# Altium PCB POWER_SUPPLY_60V_60A.PcbDoc (part 1 of 2) (continued)
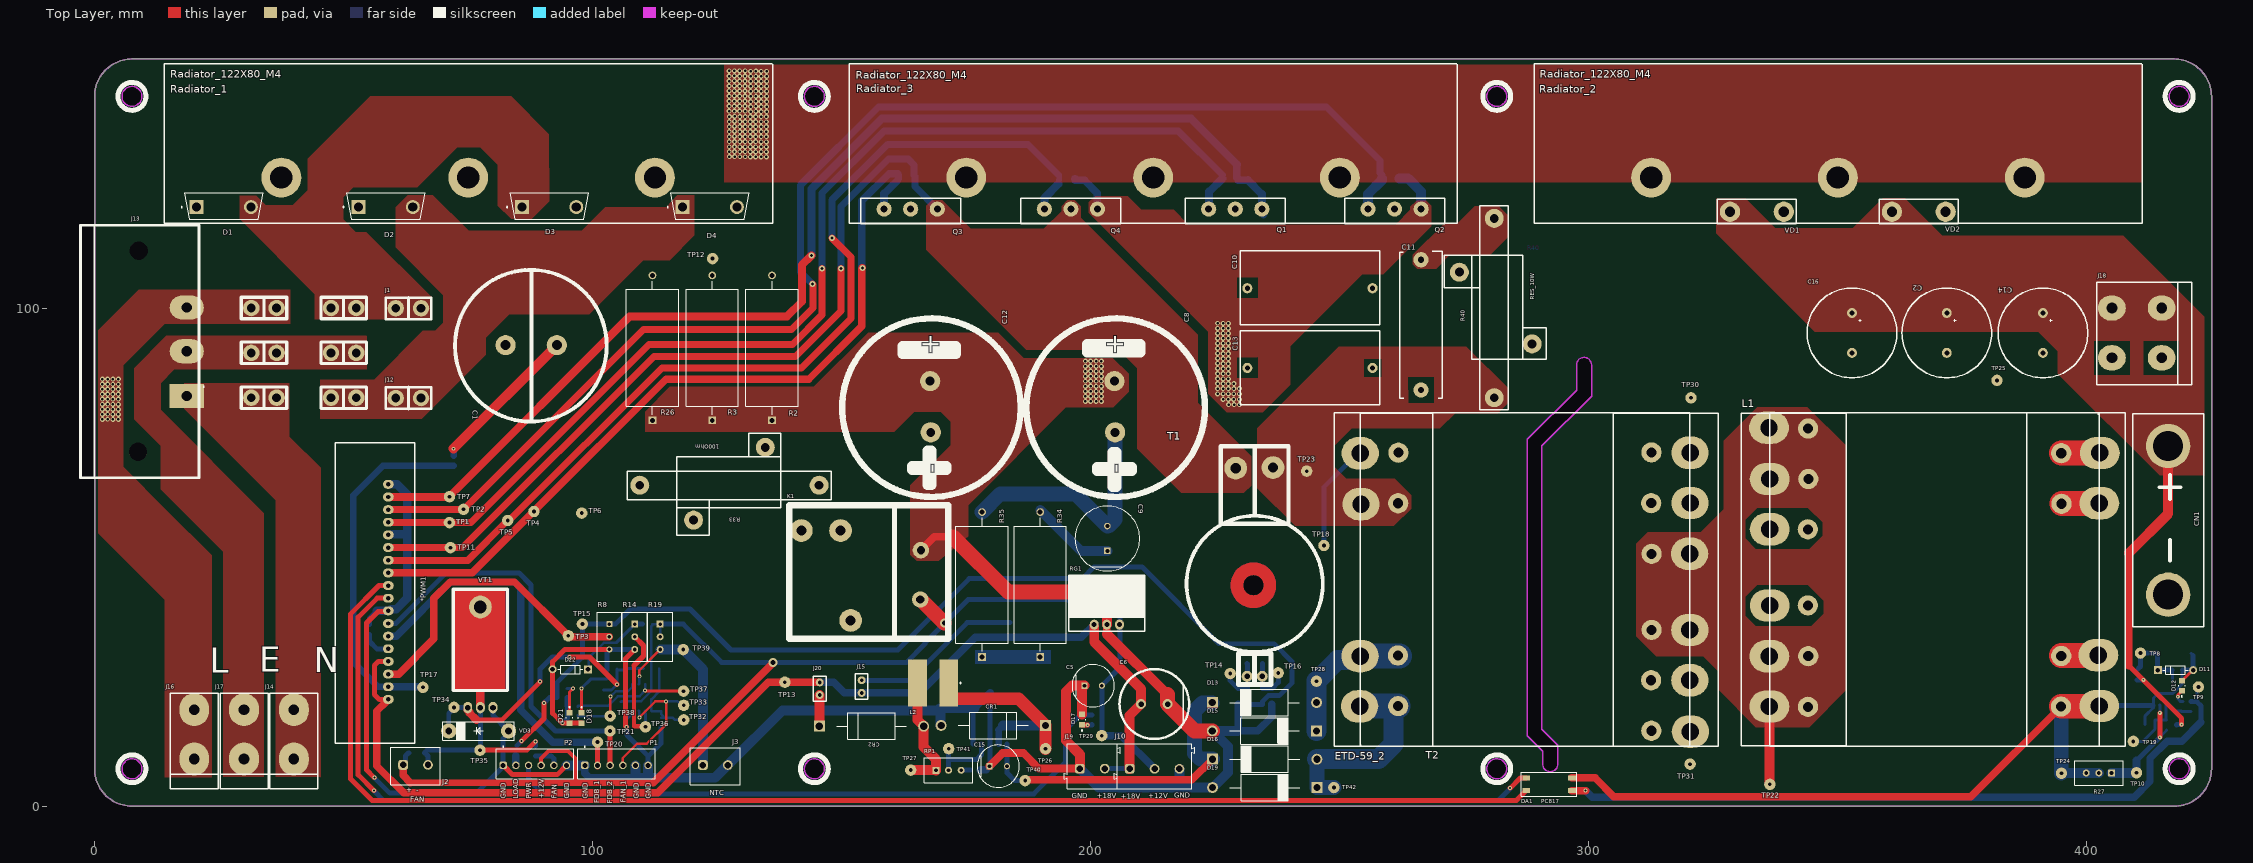
[diagram p0: Top Layer view]
## Footprints (in the part's own frame and the unit in brackets; to place one, negate y for a bottom-side part, rotate by r counter-clockwise, add the part's x,y. Pads: shape width x height; smd on the part's side, far side on the other; paste and mask are expansions set on the pad)
4-SMD [mm]
  rect 1.6x1 smd: 1(-4.575,1.27) 2(-4.575,-1.27) 3(4.575,-1.27) 4(4.575,1.27)
  silkscreen extent -5.6,-2.4 5.6,2.4, body extent -5,-2.29 5,2.29, height 3.85
"10W 3 Ohm" [mm]
  round 3.81 hole 1.778: 1(-18,0) 2(18,0) GND(-7.2,-7.6) GND(7.2,7)
  silkscreen extent -20.4,-10.45 20.5,10, body extent -16.39,-9.85 16.4,9.85, height 10.59
61900611121 [mm] "2.54mm Male Locking Header, 6p"
  rrect50% 1.5x1.5 hole 1: 1(6.35,0.3)
  round 1.5 hole 1: 2(3.81,0.3) 3(1.27,0.3) 4(-1.27,0.3) 5(-3.81,0.3) 6(-6.35,0.3)
  silkscreen extent -7.79,-3.52 7.79,2.98, body extent -7.62,-2.9 7.62,2.9, height 11.53
691101710002 [mm] "5,00mm - modular - blue - Horizontal entry with pressure clamp - 12,6mm height - 02p"
  rrect50% 1.95x1.95 hole 1.3: 1(-2.5,-0.5)
  round 1.95 hole 1.3: 2(2.5,-0.5)
  silkscreen extent -5.6,-4.5 5.6,4.5, body extent -5.6,-4.5 5.6,4.5, height 12.65
691101710003 [mm] "5,00mm - modular - blue - Horizontal entry with pressure clamp - 12,6mm height - 03p"
  rrect50% 1.95x1.95 hole 1.3: 1(-5,-0.5)
  round 1.95 hole 1.3: 2(0,-0.5) 3(5,-0.5)
  silkscreen extent -8.1,-4.5 8.1,4.5, body extent -8.1,-4.5 8.1,4.5, height 12.65
691137710002 [mm] "Horizontal Cable Entry with Pressure Clamp, pitch 5mm, 02p"
  rrect50% 1.95x1.95 hole 1.3: 1(-2.5,0.25)
  round 1.95 hole 1.3: 2(2.5,0.25)
  silkscreen extent -5,-3.75 5,3.75, body extent -5,-3.75 5,3.75, height 11.6
Batarey_connector [mil]
  round 350 hole 236.22: 1(20,-20) 2(1195,-20)
  silkscreen extent -235,-300 1450,260
Bourns_3296W_MFG [mm]
  rect 1.2x1.2 hole 0.7 paste-1000 mask+0: 1(0.005,-2.54)
  round 1.2 hole 0.7 paste-1000 mask+0: 2(0.005,0) 3(0.005,2.54)
  silkscreen extent -2.48,-4.89 2.48,4.89, body extent -2.58,-4.99 2.58,4.99, height 0.25
BZX55B8V2 [mm]
  rect 1.6x1.6 hole 0.95 paste-1000 mask+0: 1(-3.55,0)
  round 1.6 hole 0.95 paste-1000 mask+0: 2(3.55,0)
  silkscreen extent -2.52,-0.85 2.52,0.85, body extent -3.8,-0.85 3.8,0.85, height 4.7
CAP-0805 [mm]
  rect 0.8x1.25 smd mask+0.015: 1(-1,0) 2(1,0)
  silkscreen extent -1.52,-0.76 1.52,0.76, body extent -1,-0.62 1,0.63, height 0.8
CAP-TAN-D [mm]
  rect 2.2x2.5 smd: 1(-3.45,0) 2(3.45,0)
  silkscreen extent -4.5,-2.4 3.65,2.4, body extent -3.8,-2.3 3.8,2.3, height 4
CAP_1.5uf_400V [mil]
  round 120 hole 50: 1(-480,150) 2(550,150)
  body extent -527,-19 595,319, height 695
CAP_4.7uF_630V [mil]
  round 80 hole 40: 1(-495,0) 2(495,0)
  silkscreen extent -550,-295 550,290, body extent -527,-289 527,289, height 1242
CAP_450V_330uF [mil]
  round 160 hole 80: 1(175,-295) 2(175,110)
  silkscreen extent -420,-694 779,504, body extent -420,-690 771,503, height 2065
CAP_450V_470uF [mil]
  round 160 hole 70: 1(-195,5) 2(210,10)
  silkscreen extent -706,-706 706,705, body extent -684,-679 698,703, height 2044
CAP_POL_13x26_1000uF_50V [mm]
  round 2 hole 1.1: 1(-2.667,0) 2(2.667,0)
  silkscreen extent -7,-7 7,7, body extent -6.3,-6.3 6.31,6.31, height 25.72
CAPPOL-18x40 [mm]
  round 2 hole 1: 1(-4,0) 2(4,0)
  silkscreen extent -9,-9 9,9, body extent -9,-9 9.01,9.01, height 40
Conn_MEIGAN_MG136HT [mm]
  oval 6x6.6 hole 2.159: 1(0,-2.54) 1(0,7.366)
  silkscreen extent -4.83,-8.51 4.83,10.67, body extent -6,-8.55 5,9.95, height 30.95
Conn_Tianli_T-800 [mm]
  oval 5.08x5.588 hole 2.159: 1(-5,-5) 1(-5,5) 2(5,-5) 2(5,5)
  silkscreen extent -10.41,-11.05 10.16,8, body extent -10.25,-11.3 10.25,7.55, height 30.75
Current_Sens_Case [mil]
  round 180 hole 80: 1(-140,925) 2(155,930)
  round 86.61 hole 43.31: 3(-50,-720) 4(70,-720)
  round 60 hole 157.48: 106(0,0)
  Top Layer circle w100: c0,0 r129.92
  Bottom Layer circle w100: c0,0 r129.92
  silkscreen extent -529,-785 549,1100, body extent -689,-742 689,963, height 750
DIOD-SOD123-2_V [mm] "SOD123, 2-Leads, Body 2.7x1.55mm, Height 1.45mm"
  rect 0.9x0.95 smd: 1(1.575,0) 2(-1.575,0)
  silkscreen extent -0.64,-0.83 0.64,0.77, body extent -1.88,-0.8 1.88,0.8, height 1.3
DO214-AB [mm]
  rect 1.72x3.2 smd paste+0 mask+0: 1(-3.205,0) 2(3.205,0)
  silkscreen extent -4.82,-3.11 3.56,3.11, body extent -3.97,-2.95 3.97,2.95, height 2.62
DO-017AA [mm]
  oval 3.1x3 hole 1.4: 1(-6,0) 2(6,0)
  silkscreen extent -7.2,-1.85 7.15,1.83, body extent -6.63,-1.7 6.37,1.7, height 3.4
Drossel [mil]
  oval 255.91x314.96 hole 137.8: 1(-943,1204) 2(-546,1200) 3(655,1193) 4(1057,1199) 5(-1143,-1411) 6(-737,-1406) 7(664,-1408) 8(1061,-1408) 9(-340,-1406) 10(263,-1405)
  round 160 hole 80: 1(-941,899) 2(-541,901) 3(662,899) 4(1062,897) 5(-1136,-1102) 6(-737,-1100) 7(663,-1101) 8(1064,-1103) 9(-339,-1104) 10(262,-1104)
  silkscreen extent -1259,-1630 1376,1405, body extent -1251,-1399 1383,1203, height 2024
FP-751-07-IPC_C [mm]
  rect 1.874x0.543 smd paste+0 mask+0: 1(-2.316,1.905)
  rrect100% 1.874x0.543 smd paste+0 mask+0: 2(-2.316,0.635) 3(-2.316,-0.635) 4(-2.316,-1.905) 5(2.316,-1.905) 6(2.316,-0.635) 7(2.316,0.635) 8(2.316,1.905)
  silkscreen extent -3.98,-2.45 0.88,2.45, body extent -3,-2.45 3,2.45, height 1.75
FP-96144-MFG [mm]
  rect 2.8x2.8 hole 1.85 paste-1000 mask+0: 1(-0.228,5.46)
  round 2.8 hole 1.85 paste-1000 mask+0: 3(-0.228,-5.46)
  silkscreen extent -2.66,-7.94 2.66,8.56, body extent -2.76,-8.04 2.76,8.04, height 0.25
FP-CRCW0805-e3-MFG [mm]
  rect 0.95x1.45 smd paste+0 mask+0: 1(-0.975,0) 2(0.975,0)
  silkscreen extent -0.13,-0.7 0.13,0.7, body extent -1,-0.63 1,0.63, height 0.5
FP-CRCW1210-e3-IPC_A [mm]
  rect 1.405x2.806 smd paste+0 mask+0: 1(-1.551,0) 2(1.551,0)
  silkscreen extent -0.47,-1.25 0.47,1.25, body extent -1.6,-1.25 1.6,1.25, height 0.6
FP-D0008A-MFG [mm]
  rrect17% 1.55x0.6 smd paste+0 mask+0: 1(-2.7,1.905) 2(-2.7,0.635) 3(-2.7,-0.635) 4(-2.7,-1.905) 5(2.7,-1.905) 6(2.7,-0.635) 7(2.7,0.635) 8(2.7,1.905)
  silkscreen extent -4.17,-2.5 1.5,2.5, body extent -3,-2.45 3,2.45, height 1.75
FP-DO-201AD-MFG [mm]
  rect 2.2x2.2 hole 1.45 paste-1000 mask+0: 1(-10.47,0)
  round 2.2 hole 1.45 paste-1000 mask+0: 2(10.47,0)
  silkscreen extent -7,-2.65 7,2.65, body extent -11.67,-2.75 11.67,2.75, height 0.25
FP-RAD-TH-D_12_5_0_5-L_20-MFG [mm]
  rect 1.3x1.3 hole 0.8 paste-1000 mask+0: 1(-2.5,0)
  round 1.3 hole 0.8 paste-1000 mask+0: 2(2.5,0)
  silkscreen extent -6.5,-6.5 6.5,6.5, body extent -6.6,-6.6 6.6,6.6, height 0.25
FP-SQP500-MFG [mm]
  rect 1.55x1.55 hole 1 paste-1000 mask+0: 1(-14.555,0)
  round 1.55 hole 1 paste-1000 mask+0: 2(14.555,0)
  silkscreen extent -13.38,-5.25 13.38,5.25, body extent -15.43,-5.35 15.43,5.35, height 0.25
FP-UKA1H101MPD1TD-MFG [mm]
  rect 1.25x1.25 hole 0.75 paste-1000 mask+0: 1(-1.75,0)
  round 1.25 hole 0.75 paste-1000 mask+0: 2(1.75,0)
  silkscreen extent -4.25,-4.25 4.25,4.25, body extent -4.35,-4.35 4.35,4.35, height 0.25
Jumper_2.54 [mm]
  round 1.6 hole 0.762: 1(-1.27,0) 2(1.27,0)
  silkscreen extent -2.54,-1.27 2.54,1.27, body extent -2.6,-1.27 2.6,1.27, height 9
Klema_PCB_15A [mil]
  round 130 hole 70: 1(-100,0) 1(100,0)
  silkscreen extent -180,-85 180,85, body extent -161,-16 161,16, height 129
L-PE-N_Connector_C-14 [mil]
  rect 190x270 hole 80 paste-39370.1 mask+0: 1(350,630)
  oval 190x270 hole 80 paste-39370.1 mask+0: 2(-5,630) 3(-350,630)
  round 137.8 hole 145 unplated paste-39370.1 mask+0: ""(-800,250) ""(790,245)
  silkscreen extent -1000,-210 996,770, body extent -976,-213 976,710, height 1093
LED_BLUE [mm]
  rect 1.1x1.2 smd paste+0 mask+0: 1(-1.05,0) 2(1.05,0)
  silkscreen extent -2.27,-0.67 0.13,0.67, body extent -1,-0.63 1,0.63, height 0.8
LED_GREEN [mm]
  rect 1.1x1.2 smd paste+0 mask+0: 1(-1.05,0) 2(1.05,0)
  silkscreen extent -2.27,-0.67 0.13,0.67, body extent -1,-0.63 1,0.63, height 0.8
NT90RNCS12CB [mil]
  round 180 hole 80: 1(445,350) 2(-265,270) 6(445,660)
  round 130 hole 65: 3(-100,-280) 4(290,-285)
  silkscreen extent -410,-500 650,755, body extent -408,-499 640,749, height 118
ON_Semiconductor_936A-02_MFG [mm]
  rect 1.016x3.05 smd paste+0 mask+0: 1(-3.404,-6.485) 2(-1.702,-6.485) 3(0,-6.485) 4(1.702,-6.485) 5(3.404,-6.485)
  rect 10.66x8.38 smd paste+0 mask+0: 6(0,3.82)
  silkscreen extent -5.12,-8.72 5.12,-0.75, body extent -5.01,-7.11 5.01,7.14, height 4.83
PWM_controller [mil]
  oval 70x85 hole 35: 1(1125,-1930) 2(1025,-1930) 3(925,-1930) 4(825,-1930) 5(725,-1930) 6(625,-1930) 7(525,-1930) 8(425,-1930) 9(325,-1930) 10(225,-1930) 11(125,-1930) 12(25,-1930) 13(-75,-1930) 14(-175,-1930) 15(-275,-1930) 16(-375,-1930) 17(-475,-1930) 18(-575,-1930)
  silkscreen extent -905,-2350 1470,-1720, body extent -911,-2363 1451,-1732, height 2448
Radiator_122X80_M4 [mm]
  round 8 hole 4.5: 1(-37.5,-6.8) 1(0,-6.8) 1(37.5,-6.8)
  silkscreen extent -61,-16 61.1,16, body extent -61,-16 61,16, height 80.27
RES-0805 [mm]
  rect 0.8x1.25 smd mask+0.015: 1(-1,0) 2(1,0)
  silkscreen extent -1.52,-0.76 1.52,0.76, body extent -1,-0.62 1,0.63, height 0.6
RES_Adj_3296W_Bourns [mm]
  rect 1.4x1.4 hole 0.75 paste-1000 mask+0: 1(0,-2.54)
  round 1.4 hole 0.75 paste-1000 mask+0: 2(0,0) 3(0,2.54)
  silkscreen extent -2.49,-4.89 2.47,4.89, body extent -2.59,-4.99 2.57,4.99, height 0.25
RES_SMD_1210_IPC_A [mm]
  rect 1.405x2.806 smd paste+0 mask+0: 1(-1.551,0) 2(1.551,0)
  silkscreen extent -0.47,-1.25 0.47,1.25, body extent -1.6,-1.25 1.6,1.25, height 0.6
SR5100(DO-201AD [mm]
  rect 2.2x2.2 hole 1.45 paste-1000 mask+0: 1(-10.47,0)
  round 2.2 hole 1.45 paste-1000 mask+0: 2(10.47,0)
  silkscreen extent -7,-2.67 7,2.67, body extent -11.67,-2.75 11.67,2.75, height 0.25
Test_Point#1 [mil]
  round 90 hole 30 paste+4 mask+4: 1(0,0)
Test_Point#2 [mil]
  round 90 hole 30 paste+4 mask+4: 1(44.29,0)
Test_Point#3 [mil]
  round 90 hole 30 paste+4 mask+4: 1(21.65,0)
TL431_SOT-23-3(A) [mm]
  rect 1.659x0.627 smd paste+0 mask+0: 1(-0.977,0.915)
  rrect100% 1.659x0.627 smd paste+0 mask+0: 2(-0.977,-0.915) 3(0.977,0)
  silkscreen extent -0.65,-1.45 0.65,1.45, body extent -1.2,-1.45 1.2,1.45, height 1.1
TO-220(bend2) [mil]
  oval 70x90 hole 45: D(10,-440) G(-90,-440) S(110,-440)
  round 180 hole 100: D(10,355)
  Top Layer region: -190,-300 210,-300 210,480 -190,480
  Bottom Layer region: -215,-309.99 240,-309.99 240,505.01 -215,505.01
  silkscreen extent -205,-305 225,495, body extent -185,-446 208,476, height 179
TO-220_Bended_Rad [mil]
  oval 70x80 hole 40: 1(-120,-120) 2(-20,-120) 3(80,-120)
  round 130 hole 60: 2(-20,130)
  silkscreen extent -320,-170 280,270, body extent -315,-165 275,265, height 997
TO-247-2 [mil]
  round 160 hole 80: 1(210,-105) 2(635,-105)
  silkscreen extent 110,-200 735,-5, body extent 113,-202 735,-5, height 1200
TO-264-3 [mil]
  round 120 hole 55: 1(-210,-25) 2(0,-25) 3(210,-25)
  silkscreen extent -395,-140 395,60, body extent -394,-138 394,59, height 1262
Transformer_ETD59_2 [mil]
  oval 255.91x295.28 hole 137.8: 1(1035,1335) 2(633,1329) 3(-568,1336) 4(-965,1340) 5(-1165,-1275) 6(-759,-1270) 7(642,-1272) 8(1039,-1272) 9(-362,-1270) 10(241,-1269)
  round 160 hole 80: 1(1040,1033) 2(640,1035) 3(-563,1037) 4(-963,1035) 5(-1158,-966) 6(-759,-964) 7(641,-965) 8(1042,-967) 9(-361,-968) 10(240,-968)
  silkscreen extent -1281,-1494 1354,1541, body extent -1277,-1269 1357,1333, height 2024
WE-PD2_1054 [mm] "SMD Power Inductor, 2-Leads, body 10x9mm"
  rect 3.75x9.5 smd: 1(-3.125,0) 2(3.125,0)
  silkscreen extent -5.63,-0.12 -5.38,0.12, body extent -5.04,-4.5 5.04,4.5, height 5.43

## Part data
C1 C8 C12: library part CAP_POL_LOW_IMP
C3 C7 C10 C13: library part CAP-NON-POLAR
C5 C15: library part CMP-12462-000027-1, "CAP ALUM 100UF 20% 50V RADIAL", Capacitance=100uF, Case/Package=Radial, Leakage Current=4uA, Max Operating Temperature=105°C, Min Operating Temperature=-55°C, Package Quantity=1, Ripple Current=190mA, Tolerance=20%, Voltage Rating=50V, Diameter=8mm, Height=11.5mm, Height - Seated (Max)=0.512inch, Lead Pitch=3.5mm, Length=11.5mm, Life (Hours)=2000Hour, Mount="Through Hole", Packaging="Tape and Reel", REACH SVHC="No SVHC", Series=KA, Termination=Radial, Voltage Rating (DC)=50V
C6: library part CAP_polar_Hitano
C9: library part CMP-05427-001155-1, "Aluminum Electrolytic Capacitors (Radial Lead Type) 10uF ±20% 450V", Capacitance=10uF, Case/Package=Radial, Dielectric Material=Aluminium, Leakage Current=10uA, Max Operating Temperature=85°C, Min Operating Temperature=-25°C, Package Quantity=200, Ripple Current=130mA, Tolerance=20%, Voltage=450V, Construction=RADIAL, Diameter=12.5mm, Dissipation Factor=0.2%, Height=20mm, Height - Seated (Max)=0.866inch, Lead Diameter=0.6mm, Lead Free="Lead Free", Lead Pitch=5mm, Lead/Base Style=Straight, Length=20mm, Life (Hours)=2000Hour, Mount="Through Hole", Number of Pins=2, Packaging=Bulk, Polarity=Polar, Radiation Hardening=No, REACH SVHC="No SVHC", Ripple Current (AC)=130mA, RoHS Compliant=Yes, Series=M, Termination=Radial, Voltage Rating=450V, Voltage Rating (DC)=450V
C11: library part 3.3uF_630V
CN1: "Batarey_connection"
CR1 CR2: "DIODE SCHOTTKY 40V 3A DO201AD", Forward Current=3A, Manufacturer=STMicroelectronics, Max Junction Temp=+150°C, Max Repetitive Reverse Voltage=40V, Max Surge Forward Current=80A, Package=DO-201AD, Peak Reverse Current=2mA, Temperature="to +150°C", Automotive=No, Category=Diode, ComponentLink2Description=Datasheet, ComponentLink2URL=https://www.st.com/resource/en/datasheet/1n5822.pdf, Device Class L1="Discrete Semiconductors", Device Class L2=Diodes, Device Class L3="Schottky Diodes", Digikey Description="DIODE SCHOTTKY 40V 3A DO201AD", Height=5.3mm, Lead Free=Yes, Manufacturer Part Number=1N5822, Mouser Description="Schottky Diodes & Rectifiers Vr/40V Io/3A BULK", Octopart=https://octopart.com/1n5822-stmicroelectronics-323225, RoHS=TRUE, Temperature Range High=+150°C
D1 D2 D3 D4: library part CMP-02540-000097-1, "DIODE GP 1.2KV 40A TO247AC", Average Rectified Current=40A, Case/Package=TO-247-2, Max Reverse Voltage (DC)=1.2kV, Mount="Through Hole", Packaging=Rail/Tube, RoHS Compliant=Yes, Series=-
D5 D6 D7 D8 D9 D10 D14: library part 1N4148, "Fast Switching Diode, 100 V, 0.15 A, -65 to 150 degC, 2-Pin?SOD123, RoHS, Tape and Reel", If - Forward Current=0.15A, Ir - Reverse Current=1uA, Manufacturer=DiodesIncorporated, Max Surge Current=2A, Maximum Operating Temperature=+150C, Minimum Operating Temperature=-65C, Operating Temperature Range=-65Cto+150C, Package / Case=SOD-123, Package Reference=SOD123-2, Peak Reverse Voltage=100V, Vf - Forward Voltage=1.25V, Brand=DiodesIncorporated, Configuration=Single, Datasheet URL=http://www.farnell.com/datasheets/1915529.pdf, Datasheet Version="Rev. 24-2, 10/2013", Factory Pack Quantity=3000, Height=1.25mm, Length=2.85mm, Manufacturer URL=http://www.diodes.com/, Mounting Style=SMD/SMT, Package URL=http://www.diodes.com/datasheets/ds18004.pdf, Packaging=Reel, Product=SwitchingDiodes, Product Category=Diodes-GeneralPurpose,Power,Switching, Recovery Time=4ns, RoHS=True, Series=1N4148, Type=SwitchingDiode, Unit Weight=0.000353oz, Width=1.7mm
D12 D21: library part LED, "WURTH ELEKTRONIK - 151031YS06000 - LED, Yellow, Through Hole, T-1 (3mm), 30 mA, 2 V, 590 nm", Manufacturer_Name="Wurth Elektronik", Mouser Part Number=710-151031YS06000, Datasheet Link=https://katalog.we-online.de/led/datasheet/151031YS06000.pdf, Geometry.Height=5.5mm, Manufacturer_Part_Number=151031YS06000, Mouser Price/Stock=https://www.mouser.co.uk/ProductDetail/Wurth-Elektronik/151031YS06000?qs=LlUlMxKIyB3xSYYW%252BcuBiQ%3D%3D
D13 D15 D16 D19: library part SR5100
D17 D18: "WURTH ELEKTRONIK - 151031YS06000 - LED, Yellow, Through Hole, T-1 (3mm), 30 mA, 2 V, 590 nm", Manufacturer_Name="Wurth Elektronik", Manufacturer_Part_Number=151031YS06000, Mouser Part Number=710-151031YS06000, Datasheet Link=https://katalog.we-online.de/led/datasheet/151031YS06000.pdf, Geometry.Height=5.5mm, Mouser Price/Stock=https://www.mouser.co.uk/ProductDetail/Wurth-Elektronik/151031YS06000?qs=LlUlMxKIyB3xSYYW%252BcuBiQ%3D%3D
D20: library part ES3D-DO214AB, "ES3D-DO214AB"
D22: library part BZX55B8V2
J1 J12: library part Klema_15_A
J2 J3: "WR-TBL Series 1377 Horizontal Entry, THT, pitch 5mm, 2p", Manufacturer="Wurth Elektronik", Operating Temperature Max=120°C, Operating Temperature Min=-30°C, Rated Current=16A, Working Voltage=300V, Application="Pressure Clamp", Category="Terminal Blocks", ComponentLink1Description="Website Link", ComponentLink1URL=https://www.we-online.com/redexpert/article/691137710002?ad, ComponentLink2Description="Datasheet Link", ComponentLink2URL=https://www.we-online.com/redexpert/spec/691137710002?ad, Manufacturer Part Number=691137710002, Match Code=WR-TBL, Modularity=No, Mount="Through Hole", Number of Pins=2, Number of Rows=1, Orientation=Horizontal, Packaging=Box, Pitch=5mm
J10: "WR-TBL Series 101 Horizontal Entry Modular, THT, pitch 5mm, 3p", Manufacturer="Wurth Elektronik", Operating Temperature Max=105°C, Operating Temperature Min=-40°C, Rated Current=16A, Working Voltage=250V, Application="Pressure Clamp", Category="Terminal Blocks", ComponentLink1Description="Website Link", ComponentLink1URL=https://www.we-online.com/redexpert/article/691101710003?ad, ComponentLink2Description="Datasheet Link", ComponentLink2URL=https://www.we-online.com/redexpert/spec/691101710003?ad, Manufacturer Part Number=691101710003, Match Code=WR-TBL, Modularity=Yes, Mount="Through Hole", Number of Pins=3, Number of Rows=1, Orientation=Horizontal, Packaging=Box, Pitch=5mm
J13: library part C-14
J14 J16 J17: library part Connector_MEIGAN_MG136HT
J15 J20: library part "Jumper 1x2.54"
J18: library part Connector_Tianli_T-800
J19: "WR-TBL Series 101 Horizontal Entry Modular, THT, pitch 5mm, 2p", Manufacturer="Wurth Elektronik", Operating Temperature Max=105°C, Operating Temperature Min=-40°C, Rated Current=16A, Working Voltage=250V, Application="Pressure Clamp", Category="Terminal Blocks", ComponentLink1Description="Website Link", ComponentLink1URL=https://www.we-online.com/redexpert/article/691101710002?ad, ComponentLink2Description="Datasheet Link", ComponentLink2URL=https://www.we-online.com/redexpert/spec/691101710002?ad, Manufacturer Part Number=691101710002, Match Code=WR-TBL, Modularity=Yes, Mount="Through Hole", Number of Pins=2, Number of Rows=1, Orientation=Horizontal, Packaging=Box, Pitch=5mm
K1: library part CMP-03396-000117-1, "RELAY GEN PURPOSE SPST 30A 48V", Coil Current=21mA, Coil Power=1W, Coil Resistance=2.304kR, Coil Voltage (DC)=48V, Contact Current Rating=30A, Contact Voltage Rating (AC)=277V, Max Operating Temperature=85°C, Min Operating Temperature=-55°C, Package Quantity=50, Power Consumption=4W, Application(s)="GENERAL PURPOSE", Approvals=UL, Coil Type=Non-Latching, Contact Material=Silver, Current Rating=30A, Depth=27.43mm, ELV=Non-Compliant, Height=20.4mm, Lead Free="Lead Free", Length=32.5mm, Life (Hours)=100000Hour, Max Voltage Rating (AC)=277V, Mount="Through Hole", Number of Pins=4, Operate Time=15ms, Packaging=Tray, Radiation Hardening=No, Relay Type="General Purpose", Release Time=15ms, RoHS Compliant=Yes, Series=T9A, Termination=PCB, Throw Configuration=SPST, Voltage Rating (AC)=277V, Weight=0.918oz, Width=27.4mm
L1: library part DROSEL, "Drosel", Manufacturer="Wuerth Elektronik", ComponentLink1Description="Manufacturer URL", ComponentLink1URL=http://www.we-online.com, ComponentLink2Description=Datasheet, ComponentLink2URL=http://katalog.we-online.de/pbs/datasheet/750311457.pdf, PackageReference=EP13, PartNumber=750311457, Ui=36V
L2: library part 744776122, "WE-PD2 SMT Power Inductor, size 1054, 22µH, 2.04A, 0.1Ω", Case/Size Code=1054, DC Resistance=0.051Ω, DC Resistance Max=0.1Ω, Inductance=22µH, Manufacturer="Wurth Elektronik", Operating Temperature Max=125°C, Operating Temperature Min=-40°C, Rated Current=2.04A, Saturation Current=2.07A, Self Resonant Frequency=16MHz, Category="Unshielded Power Inductors", ComponentLink1Description="Website Link", ComponentLink1URL=https://www.we-online.com/redexpert/article/744776122?ad, ComponentLink2Description="Datasheet Link", ComponentLink2URL=https://www.we-online.com/redexpert/spec/744776122?ad, Height=5.4mm, Length=10mm, Manufacturer Part Number=744776122, Match Code=WE-PD2, Mount="Surface Mount", Packaging="Tape and Reel", Width=9mm
P1 P2: "WR-WTB THT Male Vertical Locking Header, pitch 2.54mm, 6pins", Contact Resistance=20mΩ, Manufacturer="Wurth Elektronik", Operating Temperature Max=105°C, Operating Temperature Min=-40°C, Rated Current=3A, Withstanding Voltage=1000VAC, Working Voltage=250VAC, Category="Wire-to-Board Connectors", ComponentLink1Description="Website Link", ComponentLink1URL=https://www.we-online.com/redexpert/article/61900611121?ad, ComponentLink2Description="Datasheet Link", ComponentLink2URL=https://www.we-online.com/redexpert/spec/61900611121?ad, Gender=Male, Height=11.5mm, Length=15.24mm, Manufacturer Part Number=61900611121, Match Code=WR-WTB, Mount="Through Hole", Number of Pins=6, Number of Rows=1, Orientation=Vertical, Packaging=Bag, Pitch=2.54mm, Width=5.8mm
Q1 Q2 Q3 Q4: library part CMP-1168-00042-1, "Low Loss IGBT in TrenchStop and Fieldstop Technology, PG-TO247-3-44, Tube, Green", Manufacturer=Infineon, Switching Frequency="TRENCHSTOP 2-20kHz", ComponentLink1Description="Manufacturer URL", ComponentLink1URL=http://www.infineon.com/, ComponentLink2Description=Datasheet, ComponentLink2URL=http://www.infineon.com/dgdl/IGW60T120_Rev2_4G.pdf?folderId=db3a304412b407950112b408e8c90004&fileId=db3a304412b407950112b428250e3d74, ComponentLink3Description="Package Specification", ComponentLink3URL=http://www.infineon.com/dgdl/IDW10S120_Rev+2.pdf?folderId=db3a304314dca38901151224afae0c96&fileId=db3a304336724dc40136789691a04aa5, DatasheetVersion="Rev. 2.4", Green=TRUE, Halogen-free=FALSE, IC(max) @ 25 degC="100 A", Mounting Technology="Through Hole", PackageDescription="3-Pin Plastic (Green) Transistor Single Outline Package, Body 15.915 x 20.95 mm, Pitch 5.44 mm", PackageReference=PG-TO247-3-44_A, PackageVersion="Rev. 05, 07/2010", Packing=Tube, PartNumber=IGW60T120, RevisionNote="Lost Devices pt2", VCE (max)="1,200 V", VCE(sat) (typ)="2.3 V"
R1: library part RES-CONST, "470"
R2 R3 R26: library part RES-CONST, "0.5 Ohm"
R4: library part RES_1210
R5 R11 R12 R13 R15 R16 R17 R18 R20 R21 R22 R23 R24 R25 R30 R31 R32 R38: library part RES-CONST
R6: library part CMP-2005-01987-2, "RES SMD 205K OHM 1% 1/2W 1992", Case Code (Imperial)=1210, Case Code (Metric)=3225, Max Operating Temperature=155°C, Max Power Dissipation=500mW, Min Operating Temperature=-55°C, Package Quantity=1, Resistance=0mR, Temperature Coefficient=0ppm/°C, Voltage Rating=200V, Case/Package=1210, Composition="Thick Film", Contact Plating=Tin, Depth=2.5mm, Features="Automotive AEC-Q200", Height=0.55mm, Length=3.2mm, Military Standard=Not, Mount="Surface Mount", Number of Terminations=2, Packaging="Tape and Reel", Power Rating=500mW, Radiation Hardening=No, REACH SVHC="No SVHC", Termination=SMD/SMT, Weight=0.000564oz, Width=0.098inch
R8 R14 R19 R27 RP1: library part RES_Adj
R28 R29 R37: library part CMP-2001-04908-2, "RES Thick Film, 10KΩ, 1%, 0.125W, 100ppm/°C, 0805", Case Code (Imperial)=0805, Case Code (Metric)=2012, Max Operating Temperature=155°C, Min Operating Temperature=-55°C, Package Quantity=5000, Power Rating=125mW, Resistance=10kR, Temperature Coefficient=100ppm/°C, Tolerance=1%, Voltage Rating=150V, Case/Package=0805, Composition="Thick Film", Contact Plating=Tin, Depth=1.25mm, Height=0.45mm, Lead Free="Lead Free", Length=2mm, Military Standard=Not, Packaging="Tape and Reel", Radiation Hardening=No, Termination=SMD/SMT, Voltage Rating (DC)=150V, Weight=0.000194oz, Width=1.25mm
R33: library part RES_10W
R34 R35: library part CMP-03413-000003-1, "RES 1.2 OHM 5W 5% AXIAL", Manufacturer=Yageo, Package=SQP500, Power Rating=5W, Resistance=1.2Ω, Temperature="-55°C to +155°C", Temperature Coefficient=300ppm/°C, Temperature Range High=+155°C, Temperature Range Low=-55°C, Tolerance=5%, Voltage Rating=350V, Automotive=No, Category=Res, ComponentLink2Description=Datasheet, ComponentLink2URL=https://datasheet.ciiva.com/2723/yageolr-sqpnsp-2013-2723111.pdf, Composition=Wirewound, Device Class L1="Passive Components", Device Class L2=Resistors, Device Class L3="Through-Hole Resistors", Digikey Description="RES 1.2 OHM 5W 5% AXIAL", Height=10mm, Ipc Land Pattern Name=RESAD2911W100L2350D1050, Lead Free=Yes, Manufacturer Part Number=SQP500JB-1R2, Octopart=https://octopart.com/sqp500jb-1r2-yageo-1162571, RoHS=TRUE, Series=SQP
RG1: "REG IC REG LINEAR 12V 1A TO220AB", Current-Output=1A, Digikey Part Number=LM7805CT-ND, Manufacturer=Fairchild, Mouser Part Number=512-LM7805CT, Package=TO220, Temperature="-40°C to +125°C", Temperature Range High=+125°C, Temperature Range Low=-40°C, Voltage - Input (Max)=35V, Voltage - Output=5V, Voltage Dropout (Max)="2V @ 1A (Typ)", ComponentLink1Description=Upverter, ComponentLink1URL=https://upverter.com/upn/revision/b27a7358b7dd93a3/, ComponentLink2Description=Datasheet, ComponentLink2URL=https://www.fairchildsemi.com/datasheets/LM/LM7805.pdf, Digikey Description="REG IC REG LINEAR 5V 1A TO220AB", helpURL=https://upverter.com/upn/revision/b27a7358b7dd93a3/, Ipc Land Pattern Name=TO-220, Lead Free=yes, Part Number=LM7812CT, Price=0.384521982769, RoHS=TRUE, Supplier 1=Digi-Key, Supplier 2=Mouser, Supplier Part Number 1=LM7805CT-ND, Supplier Part Number 2=512-LM7805CT
T2: library part Transformer_ETD_59_2
TP1 TP2 TP3 TP4 TP5 TP6 TP7 TP8 TP9 TP10 TP11 TP12 TP13 TP14 TP15 TP16 TP17 TP18 TP19 TP20 TP21 TP22 TP23 TP24 TP25 TP26 TP27 TP28 TP29 TP30 TP31 TP32 TP33 TP34 TP35 TP36 TP37 TP38 TP39 TP40 TP41 TP42: library part TP_PCB?, "Test_Point"
U1: library part CMP-1685-00009-2, "IC OPAMP GP 2 CIRCUIT 8SOIC", Case/Package=SOIC, Dual Supply Voltage=9V, Input Bias Current=250nA, Input Offset Voltage (Vos)=7mV, Max Dual Supply Voltage=16V, Max Operating Temperature=70°C, Max Supply Voltage=32V, Min Dual Supply Voltage=1.5V, Min Operating Temperature=0°C, Min Supply Voltage=3V, Nominal Supply Current=1.2mA, Operating Supply Current=1mA, Output Current=30mA, Package Quantity=2500, Power Supply Rejection Ratio (PSRR)=65dB, Voltage Gain=100dB, Bandwidth=700kHz, Common Mode Rejection Ratio=65dB, Contact Plating=Gold, Gain Bandwidth Product=700kHz, Height=1.58mm, Lead Free="Lead Free", Length=4.9mm, Mount="Surface Mount", Number of Amplifiers=2, Number of Channels=2, Number of Circuits=2, Number of Elements=2, Number of Pins=8, Operating Supply Voltage=16V, Output Current per Channel=30mA, Packaging="Tape and Reel", Radiation Hardening=No, REACH SVHC="No SVHC", Slew Rate=0.3V/µs, Unity Gain Bandwidth Product=700kHz, Width=3.91mm
U2: library part CMP-1310-00291-2, "IC OPAMP GP 2 CIRCUIT 8SOIC", Case/Package=SOIC, Dual Supply Voltage=9V, Input Bias Current=250nA, Input Offset Voltage (Vos)=7mV, Max Dual Supply Voltage=16V, Max Operating Temperature=70°C, Max Supply Voltage=32V, Min Dual Supply Voltage=1.5V, Min Operating Temperature=0°C, Min Supply Voltage=3V, Nominal Supply Current=1.2mA, Operating Supply Current=1.5mA, Output Current=40mA, Package Quantity=2500, Power Supply Rejection Ratio (PSRR)=65dB, Voltage Gain=100dB, Bandwidth=1MHz, Common Mode Rejection Ratio=65dB, Contact Plating=Tin, Gain Bandwidth Product=1MHz, Halogen Free="Halogen Free", Height=1.5mm, Lead Free="Lead Free", Length=5mm, Number of Amplifiers=2, Number of Channels=2, Number of Circuits=2, Number of Elements=2, Number of Pins=8, Operating Supply Voltage=16V, Output Current per Channel=40mA, Packaging="Tape and Reel", Radiation Hardening=No, REACH SVHC="No SVHC", Slew Rate=0.6V/µs, Width=4mm
U3: library part TL431_SOT-23-3, "TL431_SOT-23-3"
U5: library part LM2576D2T-005G

## Via types
v1: diameter 1, hole 0.5, Top Layer to Bottom Layer, tented both sides, 273 vias
v2: diameter 0.8, hole 0.4, Top Layer to Bottom Layer, tented both sides, 20 vias
v3: diameter 1.2, hole 0.6, Top Layer to Bottom Layer, tented both sides, 6 vias
v4: diameter 0.8, hole 0.3, Top Layer to Bottom Layer, tented both sides, 6 vias
v5: diameter 1.8, hole 1, Top Layer to Bottom Layer, tented both sides, 2 vias

## Nets (pads, with @x,y where several pads share a name; then routed paths per layer and width w, separated by ;. In a path a pad name is that pad's centre, name@x,y a point inside that pad or via, vN(x,y) a via of type N, cw(c..) or ccw(c..) an arc to the next point about the centre after c; other vN are vias at no path point)
+48V: C2.1 C14.1 C16.1 CN1.1 J18.2 R12.2 R13.2 R16.2 VD1.1 VD2.1 | length 65.9
  Top Layer w1: 408.425,28.2 v4(411.3,25.325) 419,17.625 v4(419,16.375)
  Top Layer w1.5: 408.425,28.2 408.425,50.825
  Top Layer w2: 408.425,50.825 416.3,58.7 CN1.1@416.3,72.295
  Bottom Layer w1: R16.2@410.025,25.325 v4(411.3,25.325) ; 417.95,16.3 418.025,16.375 v4(419,16.375)
GND: *PWM1.8 *PWM1.14 *PWM1.18 C5.1 C6.2 C7.2 C8.2 C12.2 C15.1 CR1.2 D5.1 D7.1 D15.2 D17.2 D18.2 D19.2 D21.2 D22.2 J3.2 J10.3 J19.1 K1.4 P1.1 P1.5 P1.6 P2.1 P2.6 Q2.3 Q4.3 R2.1 R3.1 R5.1 R7.1 R8.3 R10.1 R14.3 R21.1 R22.1 R26.1 R30.1 R31.1 R32.1 RG1.2 U1.4 U5.3 U5.5 U5.6 VD3.2 VT1.S | length 554.9
  Top Layer w1: v2(56.175,5.7) 54.6,7.275 54.6,36.77 56.886,39.056 58.829,39.056 *PWM1.8@58.978,39.205 ; P2.1@82.076,8.163 83.913,6.325 92.863,6.325 P2.6@94.738,8.2 ; VD3.2@83.1,14.609 VD3.2@83.1,15.1 ; v2(93.95,16.675) 93.9,16.675 91.95,18.625 D22.2@91.95,27.475 91.95,29 94.41,31.46 R8.3@103.345,31.46 ; v2@93.951,16.674 D21.2@95.333,16.674 97.646,16.674 97.671,16.648 D18.2@97.746,16.648 ; v2(106.781,15.919) 106.6,16.099 106.6,29.621 R14.3@108.439,31.46
  Top Layer w1.5: K1.4@165.889,51.391 168.548,54.05 172.35,54.05 ; 203.217,34.583 RG1.2@203.217,36.427 ; RG1.2@203.217,42.777 RG1.2@203.217,42.975
  Top Layer w1.6: C15.1@179.675,8.025 182.275,10.625 186.525,10.625 189.625,7.525 J19.1@197.8,7.525
  Top Layer w2: J19.1@197.8,7.525 197.8,10.4 195.025,13.175 195.025,23.003 196.197,24.175 C5.1@198.725,24.175 ; D17.2@198.275,18.4 C5.1@198.275,23.725 ; 203.217,34.583 215.417,22.383 ; RG1.2@203.217,36.427 RG1.2@203.217,42.777
  Top Layer w3: 172.35,54.05 183.425,42.975 RG1.2@203.217,42.975 ; 215.417,22.383 C6.2@215.417,20.5 220.817,15.1 D15.2@224.4,15.1
  Bottom Layer w0.5: v2(106.781,15.919) 106.781,17.249 106.85,17.319 106.85,17.506 107.982,18.638 U1.4@107.982,19.113
  Bottom Layer w1: R5.1@55.2,36.5 55.231,36.531 55.231,37.756 56.68,39.205 ; v2(56.175,5.7) 59.275,2.6 76.65,2.6 81.788,7.738 81.788,7.95 P2.1@82.013,8.175 ; *PWM1.14@58.978,54.445 59.127,54.594 59.867,54.594 *PWM1.14@59.874,54.6 ; 62.6,54.6 62.75,54.75 ; VT1.S@79.99,19.782 80.02,19.752 80.02,18.18 VD3.2@83.1,15.1 ; P2.1@82.038,8.2 82.038,13.547 VD3.2@83.1,14.609 ; v2(93.95,16.675) 94.975,17.7 R32.1@94.975,18.25 R31.1@94.975,19.95 ; C7.2@94.825,21.8 94.825,20.534 94.85,20.509 R31.1@94.85,20.075 ; R21.1@102.9,27.3 102.9,30.961 103.345,31.406 R8.3@103.345,31.46 R14.3@108.439,31.46 ; v2(106.781,15.919) 106.85,15.849 106.85,14.267 111.121,9.996 ; P1.6@111.121,8.2 111.121,9.996 ; R22.1@113.725,15.775 113.725,12.6 111.121,9.996 ; U5.5@176.371,12.492 U5.6@176.371,19.393 ; 179,7.35 C15.1@179.675,8.025 ; C15.1@179.767,8.117 U5.3@179.767,12.484 ; U5.3@179.775,12.492 U5.6@179.775,22.797 ; 226.963,15.062 226.963,15.1 ; 229.5,15.1 229.6,15.2
  Bottom Layer w1.5: P1.1@98.421,8.2 98.421,6.579 99.3,5.7 108.575,5.7 108.581,5.706 ; 169.675,19.65 169.821,19.504 ; CR1.2@169.821,16.334 CR1.2@169.955,16.2 ; U5.6@176.628,19.65 U5.6@179.775,22.797 ; R30.1@177.85,7.225 177.85,7.25 177.95,7.35 179,7.35 ; C15.1@179.675,8.025 C15.1@179.767,8.117 ; R10.1@196.826,126 196.873,125.952 196.873,125.61 198.79,125.61 201.325,123.075 Q4.3@201.325,119.642 ; 229.5,15.1 233.525,15.1 236.375,17.95 D7.1@236.375,20.425 ; 229.6,15.2 D5.1@229.6,20.425
  Bottom Layer w1.7: 56.68,39.205 *PWM1.8@58.978,39.205 59.19,39.205 59.487,39.503 60.528,39.503 62.75,41.725 62.75,54.75 62.75,62.625 60.77,64.605 *PWM1.18@58.978,64.605 ; *PWM1.14@59.874,54.6 62.6,54.6
  Bottom Layer w2: P2.6@94.738,8.2 P1.1@98.421,8.2 ; 108.575,5.7 111.121,5.7 124.575,5.7 J3.2@127.125,8.25 138.075,19.2 169.821,19.2 ; 108.581,5.706 P1.5@108.581,8.2 ; 111.121,5.75 P1.6@111.121,8.2 ; 169.675,19.65 U5.6@176.628,19.65 ; CR1.2@169.821,16.334 169.821,19.2 ; 169.821,19.504 169.821,19.2 ; J19.1@197.8,7.525 201.6,3.725 217.8,3.725 ; J10.3@217.8,7.5 217.8,3.725 ; D19.2@224.45,3.725 217.8,3.725 ; D19.2@224.542,3.763 227.55,6.771 227.55,11.95 D15.2@224.4,15.1 226.963,15.1 229.5,15.1 ; R7.1@261.925,126 263.725,126 266.3,123.425 Q2.3@266.3,119.785
  other v1: 227.681,80.622 228.756,80.622 229.831,80.622 198.925,81.25 201.056,81.247 202.131,81.247 199.981,81.272 226.569,81.669 227.644,81.669 228.69,81.669 229.822,81.669 198.919,82.253 201.05,82.25 202.125,82.25 199.975,82.275 225.475,82.744 226.55,82.744 227.625,82.744 228.7,82.744 229.822,82.744 198.919,83.253 201.05,83.25 202.125,83.25 199.975,83.275 225.475,83.819 226.55,83.819 227.625,83.819 228.725,83.819 229.847,83.819 198.919,84.278 201.05,84.275 202.125,84.275 199.975,84.3 225.475,84.825 226.55,84.825 227.625,84.825 228.725,84.825 198.919,85.303 201.05,85.3 202.125,85.3 199.975,85.325 226.55,85.8 227.625,85.8 225.475,85.825 198.919,86.303 201.05,86.3 202.125,86.3 199.975,86.325 226.55,86.825 227.625,86.825 225.475,86.85 198.919,87.303 201.05,87.3 202.125,87.3 199.975,87.325 226.55,87.85 227.625,87.85 225.475,87.875 201.05,88.3 202.125,88.3 198.919,88.303 199.975,88.325 226.55,88.85 227.625,88.85 225.475,88.875 198.925,89.325 201.056,89.322 202.131,89.322 199.981,89.347 226.55,89.85 227.625,89.85 225.475,89.875 226.55,90.85 227.625,90.85 225.475,90.875 226.55,91.875 227.625,91.875 225.475,91.9 226.55,92.9 227.625,92.9 225.475,92.925 226.55,93.9 227.625,93.9 225.475,93.925 226.55,94.9 227.625,94.9 225.475,94.925 226.55,95.9 227.625,95.9 225.475,95.925 226.556,96.922 227.631,96.922 225.481,96.947
GND_1: C2.2 C3.1 C4.2 C14.2 C16.2 CN1.2 D11.2 D12.2 DA1.2 J18.1 L1.1 L1.2 L1.3 L1.4 R27.2 R27.3 TP24.1 TP25.1 U2.4 U3.3 | length 194.4
  Top Layer w0.6: D12.2@419.069,25.219 419.119,25.219 421.225,27.325 D11.2@421.275,27.325
  Top Layer w1: L1.4@394.784,19.98 L1.4@394.847,20.044 ; L1.3@394.835,30.14 L1.3@394.924,30.229 ; L1.1@394.835,70.856 L1.1@394.86,70.882 ; L1.2@394.885,60.696 L1.2@394.949,60.76 ; L1.3@402.213,30.229 L1.3@402.302,30.318 ; L1.4@402.391,20.044 L1.4@402.455,20.107 ; L1.2@402.417,60.76 L1.2@402.48,60.823 ; L1.1@402.556,70.882 L1.1@402.582,70.907
  Top Layer w1.5: DA1.2@296.575,5.67 301.23,5.67 305.025,1.875 376.679,1.875 L1.4@394.784,19.98
  Top Layer w5: L1.4@394.847,20.044 L1.4@402.391,20.044 ; L1.1@394.86,70.882 L1.1@402.556,70.882 ; L1.3@394.924,30.229 L1.3@402.213,30.229 ; L1.2@394.949,60.76 L1.2@402.417,60.76
  Bottom Layer w0.6: L1.4@394.784,19.98 L1.4@394.829,19.934 ; TP24.1@394.829,6.646 TP24.1@394.875,6.6 TP24.1@394.9,6.625 ; R27.3@399.82,6.625 R27.3@399.845,6.65 ; L1.4@402.455,20.107 L1.4@402.561,20.213 ; U3.3@411.697,16.36 411.697,18.122 413.258,19.683 413.305,19.683 413.334,19.711 U2.4@413.334,20.32 ; U2.4@413.305,20.213 413.334,20.242 U2.4@413.334,20.32 ; C3.1@419.212,27.313 C3.1@419.2,27.3 419.113,27.213 419.113,24.513 417.25,22.65 414.275,22.65 413.334,21.709 U2.4@413.334,20.32 ; C4.2@420.875,30.675 C4.2@421.275,30.275 ; D11.2@421.263,27.313 D11.2@421.275,27.325
  Bottom Layer w1: L1.4@402.561,20.213 U2.4@413.305,20.213 ; C3.1@419.212,27.313 D11.2@421.263,27.313 ; D11.2@421.275,27.325 C4.2@421.275,30.275
  Bottom Layer w2: TP24.1@394.9,6.625 R27.3@399.82,6.625 ; R27.3@399.845,6.65 R27.2@402.385,6.65
  Bottom Layer w3: TP24.1@394.829,6.646 L1.4@394.829,19.934
Net*PWM1_1: *PWM1.1 *PWM1.4 C6.1 J10.1 J15.1 J19.2 J20.2 RG1.1 TP13.1 | length 227.5
  Top Layer w1: *PWM1.1@58.978,21.425 57.175,21.425 56.175,22.425 56.175,28.25 56.97,29.045 *PWM1.4@58.978,29.045
  Top Layer w1.5: *PWM1.1@58.978,21.425 58.863,21.425 58.649,21.211 58.649,21.096 56.6,19.047 56.6,8.125 62.05,2.675 113.1,2.675 135.27,24.845 138.575,24.845 J20.2@145.575,24.845
  Top Layer w1.9: 200.73,32.92 RG1.1@200.73,36.172
  Top Layer w2: 200.73,32.92 204.522,29.128 210.083,23.567 C6.1@210.083,20.5 207.8,18.217 J10.1@207.8,7.5
  Bottom Layer w1: RG1.1@200.752,36.352 RG1.1@200.752,36.76 ; J19.2@202.8,7.525 202.813,7.512 207.787,7.512 J10.1@207.8,7.5
  Bottom Layer w1.5: J20.2@145.575,24.845 148.405,24.845 150.52,22.73 J15.1@154,22.73 165.68,22.73 176.825,33.875 198.125,33.875 RG1.1@200.677,36.427
Net*PWM1_2: *PWM1.2 R1.2 TP17.1 | length 72.2
  Bottom Layer w1: *PWM1.2@58.978,23.965 *PWM1.2@59.01,23.932 ; TP17.1@65.818,23.932 TP17.1@65.9,23.85
  Bottom Layer w1.3: *PWM1.2@58.978,23.965 56.885,23.965 51.9,28.95 51.9,62.375 57.825,68.3 R1.2@72.1,68.3
  Bottom Layer w1.5: *PWM1.2@59.01,23.932 TP17.1@65.818,23.932
Net*PWM1_3: *PWM1.3 R8.2 TP3.1 | length 61.3
  Top Layer w1: TP3.1@95.1,34.2 TP3.1@95.262,34.038 ; R8.2@103.307,34.038 R8.2@103.345,34
  Top Layer w1.5: *PWM1.3@58.978,26.505 61.03,26.505 68.125,33.6 68.125,41.725 71.4,45 84.3,45 TP3.1@95.1,34.2 ; TP3.1@95.262,34.038 R8.2@103.307,34.038
Net*PWM1_5: *PWM1.5 R5.2 | length 5.8
  Bottom Layer w1: R5.2@55.2,34.5 55.2,33.05 56.665,31.585 *PWM1.5@58.978,31.585
Net*PWM1_6: *PWM1.6 P1.2 TP20.1 | length 79.2
  Top Layer w1: P1.2@100.968,7.812 100.968,12.843 TP20.1@100.975,12.85
  Bottom Layer w1.5: *PWM1.6@58.978,34.125 60.55,34.125 71.425,45 84.325,45 85.55,43.775 85.55,19.3 92,12.85 TP20.1@100.975,12.85
Net*PWM1_7: *PWM1.7 P1.3 TP21.1 | length 83.1
  Top Layer w1: TP21.1@103.475,15.1 103.488,15.087 103.488,8.2 P1.3@103.501,8.187
  Bottom Layer w1: *PWM1.7@58.978,36.665 59.019,36.706 60.506,36.706 70.625,46.825 85.2,46.825 87.625,44.4 87.625,20 92.525,15.1 TP21.1@103.475,15.1